# Altium PCB ROARCAT.PcbDoc
Units mm, origin at the board's own origin, x right, y up, seen from the top; angles counter-clockwise.
Board outline 100 x 65 mm, 2 copper layers (Top Layer, Bottom Layer), stack 1.576 mm thick; 84 components, 42 nets, 205 pads, 291 vias.
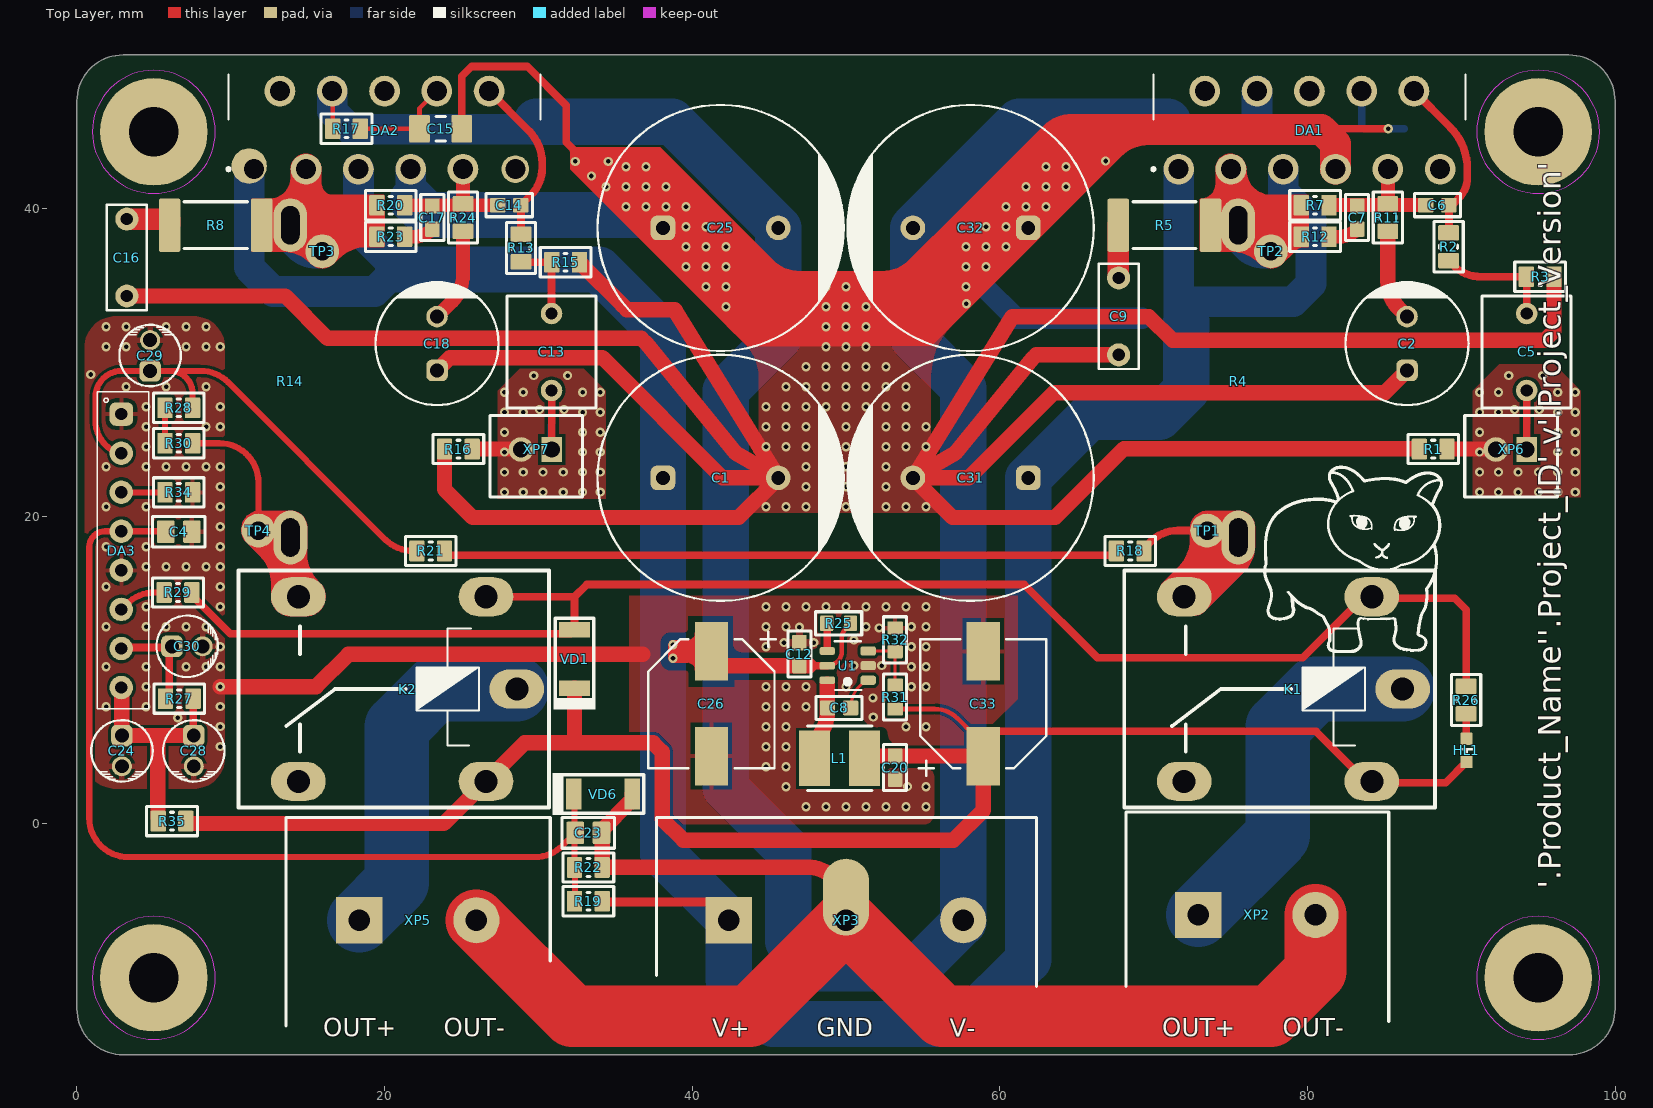
[diagram p0: Top Layer view]
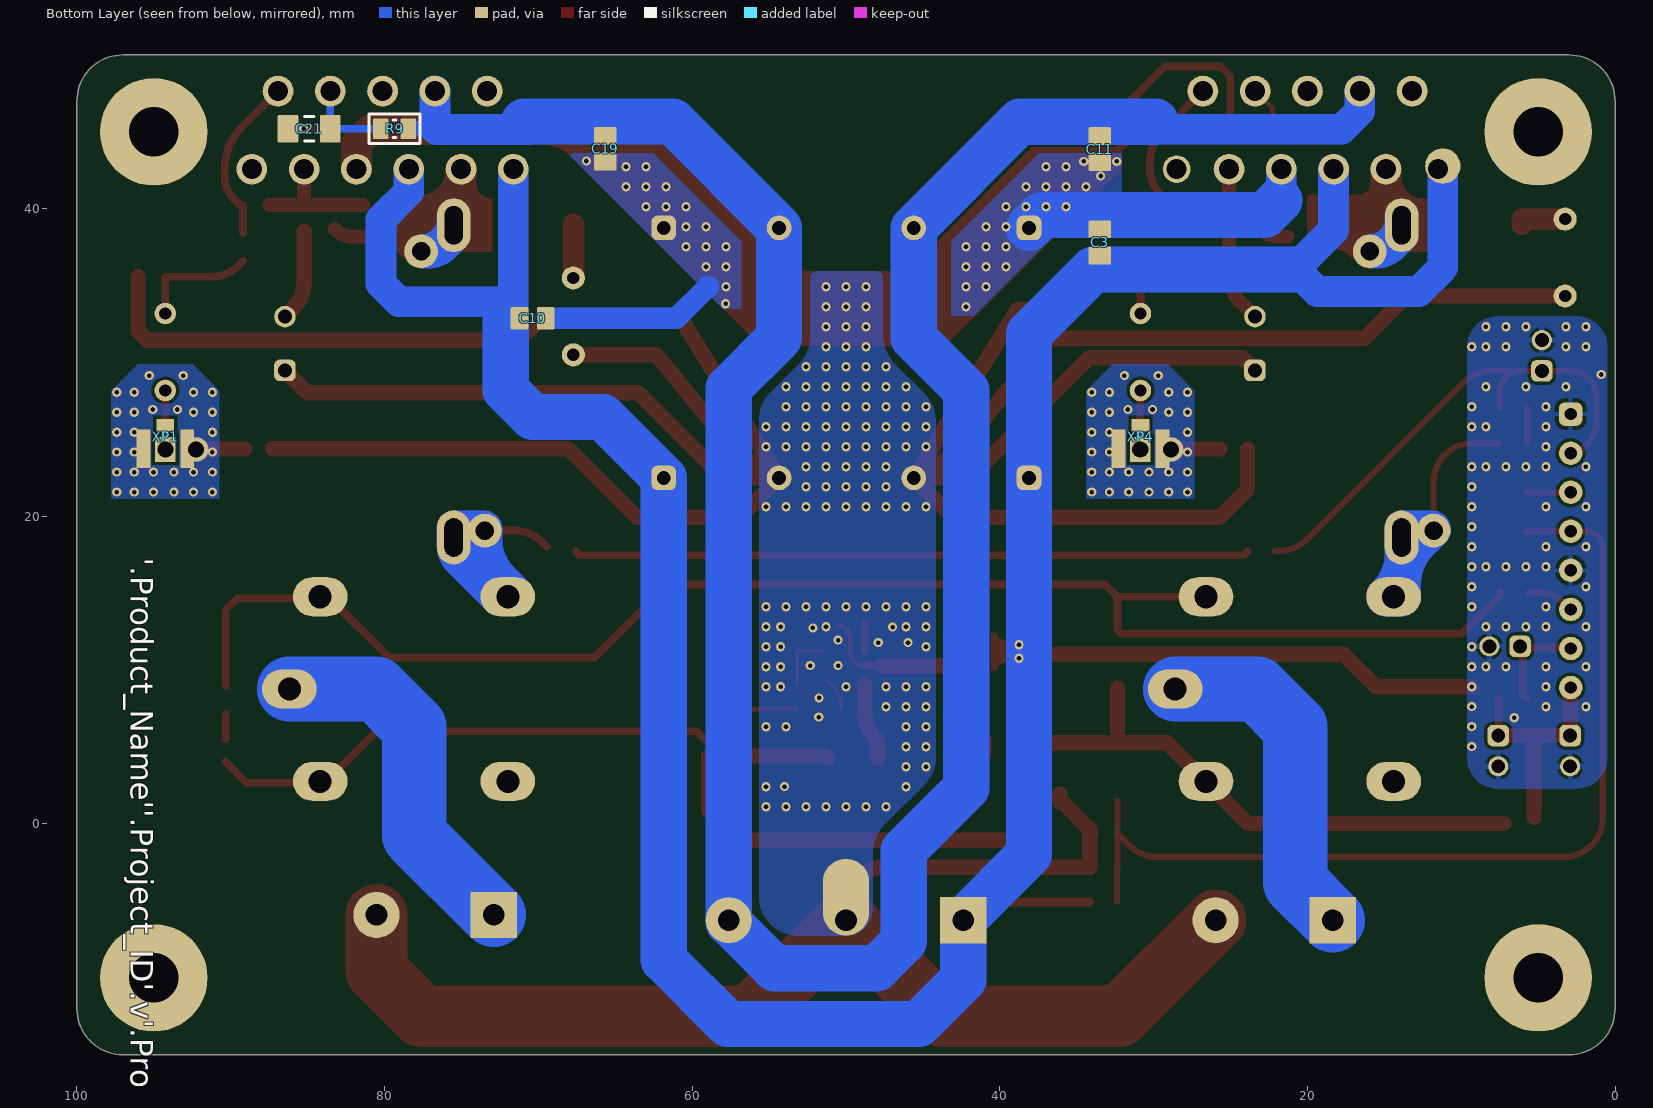
[diagram p1: Bottom Layer view, seen from below]

## Layer stack, top to bottom
Top Solder: solder mask 0.012, Solder Resist, Dk 3.5
Top Layer: signal copper 0.038
Dielectric 1: dielectric 1.5, FR-4, Dk 4.8
Bottom Layer: signal copper 0.038
Bottom Solder: solder mask 0.012, Solder Resist, Dk 3.5

## Board outline
3,-15 cw(c3,-12) 0,-12 0,47 cw(c3,47) 3,50 97,50 cw(c97,47) 100,47 100,-12 cw(c97,-12) 97,-15

## Design rules (kind name [scope] priority, off if disabled: settings)
BoardOutlineClearance [All] p1: gap=0.5 ignorepadtopadclearanceinfootprint=FALSE
Clearance MiddleVoltage [InNetClass('MiddleVoltage')] p1: gap=0.5 ignorepadtopadclearanceinfootprint=FALSE except(0: Arc-Hole Track-Hole SMDPad-Hole THPad-Hole Via-Hole Fill-Hole Poly-Hole Region-Hole Text-Hole; 0.2: Arc-Text Track-Text SMDPad-Text THPad-Text Via-Text Fill-Text Poly-Text Region-Text Text-Text)
Clearance HighVoltage [InNetClass('HighVoltage')] p2: gap=1 ignorepadtopadclearanceinfootprint=FALSE except(0: Arc-Hole Track-Hole SMDPad-Hole THPad-Hole Via-Hole Fill-Hole Poly-Hole Region-Hole Text-Hole; 0.2: Arc-Text Track-Text SMDPad-Text THPad-Text Via-Text Fill-Text Poly-Text Region-Text Text-Text)
Clearance Standart [All] p3: gap=0.2 ignorepadtopadclearanceinfootprint=FALSE except(0: Arc-Hole Track-Hole SMDPad-Hole THPad-Hole Via-Hole Fill-Hole Poly-Hole Region-Hole Text-Hole)
ComponentClearance [All] p1: gap=0.1 collisioncheckmode=3 verticalgap=0.1 showdistances=TRUE
Height [All] p1: minheight=0 maxheight=40 prefheight=12.7
HoleSize [All] p1: absolutevalues=TRUE maxlimit=12 minlimit=0.3 maxpercent=80.000 minpercent=20.000
HoleToHoleClearance [All] p1: gap=0.3 allowstackedmicrovias=TRUE
MinimumSolderMaskSliver [All] p1: minsoldermaskwidth=0.1
NetAntennae [All] p1: netantennaetolerance=2
PlaneClearance [All] p1: clearance=0.3
PlaneConnect PlaneConnectMiddleCurrent [InNetClass('MiddleCurrent')] p1: planeconnectstyle=Relief reliefexpansion=0.508 reliefentries=4 reliefconductorwidth=0.5 reliefairgap=0.3
PlaneConnect PlaneHighCurrent [InNetClass('HighCurrent')] p2: planeconnectstyle=Relief reliefexpansion=0.508 reliefentries=4 reliefconductorwidth=0.5 reliefairgap=0.35
PlaneConnect [All] p3: planeconnectstyle=Relief reliefexpansion=0.508 reliefentries=4 reliefconductorwidth=0.3 reliefairgap=0.3
PolygonConnect PolygonConnectMiddleCurrent [All vs InNetClass('MiddleCurrent')] p1: connectstyle=Relief reliefconductorwidth=0.4 reliefentries=4 polygonreliefangle="90 Angle" airgapwidth=0.3
PolygonConnect PolygonHighCurrent [InNetClass('HighCurrent')] p2: connectstyle=Relief reliefconductorwidth=0.5 reliefentries=4 polygonreliefangle="90 Angle" airgapwidth=0.3
PolygonConnect PolygonConnect_Keepout [(ObjectKind = 'Track') And (Layer = 'KeepOutLayer')] p3: connectstyle=Direct reliefconductorwidth=0.254 reliefentries=4 polygonreliefangle="90 Angle" airgapwidth=0.254
PolygonConnect PolygonConnect_Via [IsVia] p4: connectstyle=Direct reliefconductorwidth=0.254 reliefentries=4 polygonreliefangle="90 Angle" airgapwidth=0.254
PolygonConnect [All] p5: thpad.connectstyle=Relief thpad.reliefconductorwidth=0.3 thpad.reliefentries=4 thpad.polygonreliefangle="90 Angle" thpad.airgapwidth=0.25 smdpad.connectstyle=Relief smdpad.reliefconductorwidth=0.3 smdpad.reliefentries=4 smdpad.polygonreliefangle="90 Angle" smdpad.airgapwidth=0.25 via.connectstyle=Direct via.reliefconductorwidth=0.3 via.reliefentries=4 via.polygonreliefangle="90 Angle" via.airgapwidth=0.3
RoutingCorners [All] p1: cornerstyle=45-Degree minsetback=1 maxsetback=3
RoutingVias Power [InNetClass('Power')] p1: holewidth=0.8 width=1.5 viastyle="Through Hole" minholewidth=0.5 minwidth=1 maxholewidth=1.2 maxwidth=3
RoutingVias [All] p2: holewidth=0.4 width=0.6 viastyle="Through Hole" minholewidth=0.3 minwidth=0.3 maxholewidth=3 maxwidth=5
SilkToSilkClearance [All] p1: silktosilkclearance=0
SilkToSolderMaskClearance [IsPad] p1: minsilkscreentomaskgap=0.05 clearancetoexposedcopper=TRUE
SolderMaskExpansion SolderMaskExpansion_VIA [IsVia] p1: expansion=-3 istentingtop=TRUE useseparateexpansions=TRUE expansionbottom=-3 istentingbottom=TRUE
SolderMaskExpansion [All] p2: expansion=0.05 istentingtop=FALSE
Width Width_ANT [InNetClass('Anthenna')] p1: maxlimit=1.641 minlimit=0.2 preferedwidth=1.641
Width WidthMiddleCurrent [InNetClass('MiddleCurrent')] p2: maxlimit=2 minlimit=0.35 preferedwidth=0.5
Width WidthHighCurrent [InNetClass('HighCurrent')] p3: maxlimit=5 minlimit=0.5 preferedwidth=1
Width [All] p4: maxlimit=5 minlimit=0.2 preferedwidth=0.3 minimp=50.000000 maximp=50.000000 favimp=50.000000
19 further rules are at their usual default settings.

## Components (designator, comment, footprint, x,y, rotation, side; value= is the part's Value field where it differs from the comment)
C1 "2200uF" CAP16x31.5 41.85,22.5 r0 top locked
C2 "22uF(BP)" CAP-AE-PTH-80D05x115H15 86.475,31.235 r90 top
C3 "0.1uF" C0805(2012) 33.5,37.813 r90 bottom
C4 "0.1uF" C0805(2012) 6.625,19 r180 top
C5 "2.2uF" WIMA5 94.25,30.685 r90 top
C6 "220pF" C0603(1608) 88.445,40.226 r0 top
C7 "47pF" C0603(1608) 83.231,39.424 r270 top
C8 "0.1uF" C0603(1608) 49.55,7.543 r180 top
C9 "0.1uf" "CAP 5MM" 67.675,32.95 r270 top locked value=0.1uF
C10 "0.1uF" C0805(2012) 70.375,32.875 r180 bottom
C11 "0.1uF" C0805(2012) 33.5,43.875 r90 bottom
C12 "0.1uF" C0603(1608) 46.972,11.044 r270 top
C13 "2.2uF" WIMA5 30.859,30.685 r90 top
C14 "220pF" C0603(1608) 28.109,40.226 r0 top
C15 "10uF" C1206(3216) 23.65,45.2 r0 top
C16 "0.1uf" "CAP 5MM" 3.2,36.775 r270 top locked value=0.1uF
C17 "47pF" C0603(1608) 23.106,39.424 r270 top
C18 "22uF(BP)" CAP-AE-PTH-80D05x115H15 23.414,31.235 r90 top
C19 "0.1uF" C0805(2012) 65.65,43.896 r90 bottom
C20 "0.1uF" C0603(1608) 53.195,3.669 r90 top
C21 "10uF" C1206(3216) 84.9,45.2 r0 bottom
C23 "0.33uF" C0805(2012) 33.25,-0.574 r180 top
C24 "22uF" CAP-AE-PTH-40D05x70H10 2.925,4.75 r270 top
C25 "2200uF" CAP16x31.5 41.85,38.75 r0 top locked
C26 "220 uF" "CAP 8x9" 41.247,7.819 r270 top
C28 "22uF" CAP-AE-PTH-40D05x70H10 7.6,4.75 r270 top
C29 "22uF" CAP-AE-PTH-40D05x70H10 4.762,30.456 r90 top
C30 "22uF" CAP-AE-PTH-40D05x70H10 7.176,11.55 r0 top
C31 "2200uF" CAP16x31.5 58.1,22.5 r180 top locked
C32 "2200uF" CAP16x31.5 58.1,38.75 r180 top locked
C33 "220 uF" "CAP 8x9" 58.922,7.819 r90 top
DA1 "LM3886T/NOPB" TO-220-11#1 80.125,45 r180 top locked
DA2 "LM3886T/NOPB" TO-220-11#2 20,45 r180 top locked
DA3 "uPC1237" SIP-8 3,17.8 r270 top
HL1 "FYLS-0603BURC" LED-0603R 90.338,4.786 r90 top
K1 "LEG-12" Relay10A 78.186,8.775 r0 top locked
K2 "LEG-12" Relay10A 20.6,8.775 r0 top locked
L1 "NRS4018T3R3" "WE-LQS SMD 4018" 48.07,4.268 r0 top
R1 "10" R0805 88.175,24.375 r180 top
R2 "1 k" R0805 89.175,37.526 r270 top
R3 "1 k" R0805 95.125,35.575 r0 top
R4 "10" R3W 75.5,28.775 r270 top
R5 "5.6" R2512 70.7,38.925 r0 top locked
R7 "7.5 k" R0805 80.5,40.226 r180 top
R8 "5.6" R2512 9.025,38.925 r0 top locked
R9 "100 k" R0805 79.35,45.2 r180 bottom
R11 "1 k" R0805 85.225,39.424 r90 top
R12 "7.5 k" R0805 80.5,38.181 r180 top
R13 "1 k" R0805 28.874,37.45 r270 top
R14 "10" R3W 13.875,28.775 r270 top
R15 "1 k" R0805 31.775,36.524 r0 top
R16 "10" R0805 24.8,24.375 r180 top
R17 "100 k" R0805 17.525,45.2 r180 top
R18 "10 k" R0805 68.475,17.75 r0 top
R19 "100 k" R0805 33.25,-5.025 r0 top
R20 "7.5 k" R0805 20.406,40.226 r180 top
R21 "47 k" R0805 23,17.75 r0 top
R22 "10 k" R0805 33.25,-2.825 r180 top
R23 "7.5 k" R0805 20.406,38.181 r180 top
R24 "1 k" R0805 25.106,39.424 r90 top
R25 "100 k" R0603 49.522,13.05 r180 top
R26 "10 k" R0805 90.313,8.058 r270 top
R27 "47 k" R0805 6.657,8.15 r0 top
R28 "47 k" R0805 6.625,27.056 r0 top
R29 "100" R0805 6.57,15.05 r0 top
R30 "10 k" R0805 6.625,24.755 r180 top
R31 "100 k" R0603 53.195,8.25 r270 top
R32 "10 k" R0603 53.195,11.975 r270 top
R34 "0" R0805 6.625,21.56 r180 top
R35 "3.3 k" R0805 6.184,0.188 r180 top
TP1 "PAD-1.75mm" PAD-1.75mm#1 73.478,19.1 r0 top
TP2 "PAD-1.75mm" PAD-1.75mm#2 77.625,37.225 r0 top
TP3 "PAD-1.75mm" PAD-1.75mm#2 15.95,37.225 r0 top
TP4 "PAD-1.75mm" PAD-1.75mm#2 11.803,19.075 r0 top
U1 "JW5026" SOT23-6 50.112,10.296 r90 top
VD1 "1N4148" SOD-80 32.35,9.625 r90 top
VD6 "1N4148" SOD-80 33.1,1.95 r0 top
XP1 "U.FL-R-SMT-1(01)" "IPEX_ RECE.20279.001E.01" 94.25,24.4 r0 bottom
XP2 "DG25C-B-02P" DG25C-B-02P 76.712,-5.912 r0 top
XP3 "DG25H-B-03P-13-00AH" DG25H-B-03P 50,-6.253 r0 top locked
XP4 "U.FL-R-SMT-1(01)" "IPEX_ RECE.20279.001E.01" 30.859,24.4 r0 bottom locked
XP5 "DG25C-B-02P" DG25C-B-02P 22.163,-6.253 r0 top
XP6 "B02B-PASK-1" JST_B02B-PASK-1(LF)(SN) 93.25,24.347 r180 top
XP7 "B02B-PASK-1" JST_B02B-PASK-1(LF)(SN) 29.875,24.347 r180 top

## Footprints (in the part's own frame and the unit in brackets; to place one, negate y for a bottom-side part, rotate by r counter-clockwise, add the part's x,y. Pads: shape width x height; smd on the part's side, far side on the other; paste and mask are expansions set on the pad)
C0603(1608) [mm]
  rrect15% 1x0.95 smd mask+0.05: 1(-0.75,0) 2(0.75,0)
  Top Layer pour cut-out: -0.05,0.45 0.05,0.45 0.05,-0.45 -0.05,-0.45
  silkscreen extent -1.5,-0.75 1.5,0.75, body extent -0.9,-0.5 0.9,0.5, height 0.9
C0805(2012) [mm]
  rrect15% 1.15x1.45 smd mask+0.05: 1(-0.85,0) 2(0.85,0)
  Top Layer pour cut-out: -0.05,0.651 0.05,0.651 0.05,-0.649 -0.05,-0.649
  body extent -1.1,-0.72 1.1,0.73, height 0.75
C1206(3216) [mm]
  rrect15% 1.35x1.8 smd mask+0.05: 1(-1.375,0) 2(1.375,0)
  silkscreen extent -0.3,-0.8 0.3,0.8, body extent -1.6,-0.8 1.6,0.8, height 1
CAP16x31.5 [mm]
  rrect50% 1.6x1.6 hole 0.9: 1(-3.75,0)
  round 1.6 hole 0.9: 2(3.75,0)
  silkscreen extent -8,-8 8,8, body extent -8,-8 8,8, height 41
"CAP 5MM" [mm]
  round 1.5 hole 0.8: 1(-2.55,0.05) 2(2.45,0.05)
  silkscreen extent -3.47,-1.25 3.38,1.35, body extent -2.78,-1.2 2.73,1.3, height 6.54
"CAP 8x9" [mm]
  rect 3.8x2.15 smd: 1(-3.4,0) 2(3.4,0)
  silkscreen extent -4.7,-4.1 4.2,4.2, body extent -4.6,-4.25 4.6,4.25, height 9
CAP-AE-PTH-40D05x70H10 [mm]
  rrect50% 1.4x1.4 hole 0.9: 1(-1,0)
  round 1.3 hole 0.9: 2(1,0)
  silkscreen extent -2,-2 2,2, body extent -2.25,-2.25 2.25,2.25, height 8
CAP-AE-PTH-80D05x115H15 [mm]
  rrect50% 1.4x1.4 hole 0.9: 1(-1.75,0)
  round 1.4 hole 0.9: 2(1.75,0)
  silkscreen extent -4,-4 4.03,4, body extent -4.25,-4.25 4.25,4.25, height 13
DG25C-B-02P [mm]
  rect 3x3 hole 1.4: 1(-3.81,0)
  round 3 hole 1.4: 2(3.81,0)
  silkscreen extent -8.51,-6.94 8.57,6.68, body extent -8.37,-6.75 8.37,6.48, height 14.8
DG25H-B-03P [mm]
  rect 3x3 hole 1.4: 1(-7.62,0)
  oval 3x5 hole 1.4 copper offset 0,1.5: 2(0,0)
  round 3 hole 1.4: 3(7.62,0)
  silkscreen extent -12.32,-4.3 12.38,6.68, body extent -12.18,-6.75 12.18,6.48, height 14.8
"IPEX_ RECE.20279.001E.01" [mm]
  rect 1.15x0.8 smd: 1(0,-1.525)
  rect 0.9x2.5 smd: 2(-1.425,0) 3(1.425,0)
  body extent -1.5,-1.5 1.5,1.6, height 1.25
JST_B02B-PASK-1(LF)(SN) [mm]
  rect 1.35x1.6 hole 1.05: 1(-1,0)
  round 1.6 hole 1.05: 2(1,0)
  silkscreen extent -3,-2.2 3.03,3.1, body extent -3,-2.2 3,3.1, height 7.85
LED-0603R [mm]
  rrect15% 0.8x0.8 smd: 1(-0.75,0) 2(0.75,0)
  silkscreen extent -0.2,-0.4 0.15,0.4, body extent -0.85,-0.45 0.85,0.45, height 0.9
PAD-1.75mm#1 [mm]
  round 2.2 hole 1.2: 1(0,-0.025)
PAD-1.75mm#2 [mm]
  round 2.2 hole 1.2: 1(0,0)
R3W [mm]
  oval 3.5x2.2 hole 1.2 slot 2.5 at 0 deg: 1(-10.15,0) 2(10.15,0.003)
  body extent -11.1,-3.3 11.1,3.3, height 8.29
R0603 [mm]
  rrect15% 0.85x1 smd mask+0.05: 1(-0.775,0) 2(0.775,0)
  silkscreen extent -1.5,-0.75 1.5,0.75, body extent -0.85,-0.42 0.85,0.38, height 0.56
R0805 [mm]
  rrect15% 1x1.35 smd: 1(-0.9,0) 2(0.9,0)
  silkscreen extent -1.65,-0.95 1.65,0.95, body extent -1.03,-0.62 0.97,0.63, height 0.47
R2512 [mm]
  rrect15% 1.4x3.45 smd: 1(-3,0) 2(3,0)
  silkscreen extent -2.05,-1.53 2.05,1.53, body extent -3.3,-1.71 3.3,1.72, height 0.89
Relay10A [mm]
  oval 3.556x2.54 hole 1.5: 1(6,-6) 2(6,6) 3(-6.2,6) 4(8,0) 5(-6.2,-6)
  silkscreen extent -10.1,-7.7 10.1,7.7, body extent -9.85,-7.5 9.65,7.5, height 3.5
SIP-8 [mm]
  rrect50% 1.524x1.524 hole 0.8: 1(-8.85,-0.111)
  round 1.524 hole 0.8: 2(-6.31,-0.111) 3(-3.77,-0.111) 4(-1.23,-0.111) 5(1.31,-0.111) 6(3.85,-0.111) 7(6.39,-0.111) 8(8.93,-0.111)
  silkscreen extent -10.31,-1.68 10.32,1.67, body extent -10.15,-1.5 10.17,1.5, height 5.68
SOD-80 [mm]
  rect 1x2 smd: 1(-0.8,0) 2(3,0)
  silkscreen extent -2.17,-1.35 3.75,1.35, body extent -0.78,-0.79 2.92,0.79, height 1.6
SOT23-6 [mm]
  rrect50% 0.6x1 smd mask+0.05: 1(-0.95,-1.33) 2(0,-1.33) 3(0.95,-1.33)
  rrect50% 0.5x1 smd mask+0: 4(0.95,1.33) 5(0,1.33) 6(-0.95,1.33)
  silkscreen extent -1.59,-0.88 1.59,0.86, body extent -1.52,-1.5 1.52,1.5, height 1.25
TO-220-11#1 [mm]
  round 2 hole 1.3: 1(8.5,2.43) 2(6.8,-2.65) 3(5.1,2.43) 4(3.4,-2.65) 5(1.7,2.43) 6(0,-2.65) 7(-1.7,2.43) 8(-3.4,-2.65) 9(-5.1,2.43) 10(-6.8,-2.65) 11(-8.5,2.43)
  silkscreen extent -10.14,-3.72 10.24,2.53, body extent -10,-6.84 10.02,2.73, height 22.35
TO-220-11#2 [mm]
  round 2.3 hole 1.3 copper offset 0.3,-0.2: 1(8.5,2.43)
  round 2 hole 1.3: 2(6.8,-2.65) 3(5.1,2.43) 4(3.4,-2.65) 5(1.7,2.43) 6(0,-2.65) 7(-1.7,2.43) 8(-3.4,-2.65) 9(-5.1,2.43) 10(-6.8,-2.65)
  round 1.8 hole 1.3: 11(-8.5,2.43)
  silkscreen extent -10.14,-3.72 10.24,2.53, body extent -10,-6.84 10.02,2.73, height 22.35
"WE-LQS SMD 4018" [mm]
  rect 2x3.6 smd: 1(-0.125,0) 2(3.125,0)
  silkscreen extent -0.58,-2.1 3.63,2.1, body extent -0.47,-2 3.52,2, height 2.15
WIMA5 [mm]
  round 1.4 hole 0.8: 1(-2.5,0) 2(2.5,0)
  silkscreen extent -3.63,-2.89 3.64,2.89, body extent -3.49,-2.75 3.51,2.77, height 11

## Part data
C1 C25 C31 C32: library part "2200uF  35V 16x31.5", "2200uF CAP ALUM 22UF 20% 35V RADIAL", Operation Temperature="-55°C ~ 125°C", Package/Case=16x31.5, Power (V/A)=35V, Tolerance=±10%, ComponentLink1Description=Datasheet, Library Path 1=Capacitors.SchLib, Name Component="Electrolytic capacitor", Part Number="2200uF  35V 16x31.5"
C2 C18: library part "22uF(BP)  50V  8 x 11.5", "ECEA1HN220U 22UF 20% 50V RADIAL", Manufacturer="Panasonic Electronic Components", Manufacturer P/N=ECEA1HN220U, Operation Temperature="-55°C ~ 105°C", Package/Case="8 x 11.5", Power (V/A)=50V, Supplier Part Number 1=P10340-ND, Temperature Coefficient=-, Tolerance=±20%, ComponentLink1Description=Datasheet, Library Path 1=Capacitors.SchLib, Name Component="Bipolar Electrolytic Capacitor", Part Number="22uF(BP)  50V  8 x 11.5", Supplier 1=kosmodrom
C3 C4 C9 C10 C11 C16 C19: library part "0.1uF  50V C0805", "CAP CER 0.1UF 50V X7R 0805", Manufacturer="AVX Corporation", Manufacturer P/N=08055C104KAT2A, Operation Temperature="-55°C ~ 105°C", Package/Case=C0805, Power (V/A)=50V, Supplier Part Number 1=478-1395-2-ND, Temperature Coefficient=X7R, Tolerance=±10%, ComponentLink1Description=Datasheet, ComponentLink1URL=http://catalogs.avx.com/SurfaceMount.pdf, Library Path 1=Capacitors.SchLib, Name Component="Capacitor Ceramic", Notes="08055C104KAT4A,08055C104KAJ2A, 08055C104KAJ4A", Part Number="0.1uF  50V C0805", Supplier 1=Digi-key
C5 C13: library part MKS2-2.2U/50-R, "CAP FILM 2.2UF 10% 100VDC", Manufacturer=WIMA, Manufacturer P/N=MKS2B042201F00, Operation Temperature="-55°C ~ 125°C", Package/Case="5x10x7, 2мм", Power (V/A)="63В AC, 100В DC", Tolerance=±10%, ComponentLink1Description=Datasheet, ComponentLink1URL=https://www.mouser.com/datasheet/2/440/e_WIMA_MKS_2-1139871.pdf?utm_source=chatgpt.com, Library Path 1=Capacitors.SchLib, Name Component="Polypropylene (PP), Metallized", Part Number=MKS2-2.2U/50-R, Supplier 1=kosmodrom
C6 C14: library part "220pF  25V C0603", "CAP CER 220PF 25V X7R 0603", Manufacturer="AVX Corporation", Manufacturer P/N=06033C221MAT2A, Operation Temperature="-55°C ~ 105°C", Package/Case=C0603, Power (V/A)=25V, Supplier Part Number 1=06033C221MAT2A-ND, Temperature Coefficient=X7R, Tolerance=±20%, ComponentLink1Description=Datasheet, ComponentLink1URL=http://catalogs.avx.com/SurfaceMount.pdf, Library Path 1=Capacitors.SchLib, Name Component="Capacitor Ceramic", Notes=06033C221MAT4A, Part Number="220pF  25V C0603", Supplier 1=Digi-key
C7 C17: library part "47pF  50V C0603", "CAP CER 47PF 50V X7R 0603", Manufacturer="AVX Corporation", Manufacturer P/N=06035C470KAT2A, Operation Temperature="-55°C ~ 105°C", Package/Case=C0603, Power (V/A)=50V, Supplier Part Number 1=06035C470KAT2A-ND, Temperature Coefficient=X7R, Tolerance=±10%, ComponentLink1Description=Datasheet, ComponentLink1URL=http://catalogs.avx.com/SurfaceMount.pdf, Library Path 1=Capacitors.SchLib, Name Component="Capacitor Ceramic", Part Number="47pF  50V C0603", Supplier 1=Digi-key
C8 C12 C20: library part "0.1uF  50V C0603", "CAP CER 0.1UF 50V X7R 0603", Manufacturer="Samsung Electro-Mechanics", Manufacturer P/N=CL10B104KB8WPNC, Operation Temperature="-55°C ~ 125°C", Package/Case=C0603, Power (V/A)=50V, Supplier Part Number 1=1276-6854-2-ND, Temperature Coefficient=X7R, Tolerance=±10%, ComponentLink1Description=Datasheet, ComponentLink1URL=https://www.samsungsem.com/resources/file/global/support/product_catalog/MLCC.pdf, Library Path 1=Capacitors.SchLib, Name Component="Capacitor Ceramic", Notes="06035C104K4T4A, 06035C104K4T2A", Part Number="0.1uF  50V C0603", Supplier 1=Digi-key
C15 C21: library part "10uF  35V С1206", "CAP CER 10UF 35V X5R 1206", Manufacturer="AVX Corporation", Manufacturer P/N=1206DD106KAT2A, Operation Temperature="-55°C ~ 105°C", Package/Case=С1206, Power (V/A)=35V, Supplier Part Number 1=478-9953-2-ND, Temperature Coefficient=X5R, Tolerance=±10%, ComponentLink1Description=Datasheet, ComponentLink1URL=http://catalogs.avx.com/SurfaceMount.pdf, Library Path 1=Capacitors.SchLib, Name Component="Capacitor Ceramic", Part Number="10uF  35V С1206", Supplier 1=Digi-key
C23: library part "0.33uF  25V C0805", "CAP CER 0.33UF 25V X7R 0805", Manufacturer="AVX Corporation", Manufacturer P/N=08053C334MAT2A, Operation Temperature="-55°C ~ 105°C", Package/Case=C0805, Power (V/A)=25V, Supplier Part Number 1=478-5720-2-ND, Temperature Coefficient=X7R, Tolerance=±20%, ComponentLink1Description=Datasheet, ComponentLink1URL=http://catalogs.avx.com/SurfaceMount.pdf, Library Path 1=Capacitors.SchLib, Name Component="Capacitor Ceramic", Part Number="0.33uF  25V C0805", Supplier 1=Digi-key
C24 C28 C29 C30: library part "22uF  25V 4х6", "CAP ALUM 22UF 20% 25V RADIAL", Operation Temperature="-55°C ~ 125°C", Package/Case=4х6, Power (V/A)=25V, Tolerance=±10%, ComponentLink1Description=Datasheet, Library Path 1=Capacitors.SchLib, Name Component="Electrolytic capacitor", Part Number="22uF  25V 4х6"
C26 C33: library part "220 uF  16V 8 x 9", "CAP POLY 220 UF 20% 16V 8x9", Manufacturer=Leaguer, Manufacturer P/N=VPT1C221M0809, Operation Temperature="-55°C ~ 105°C", Package/Case="8 x 9", Power (V/A)=16V, Supplier Part Number 1=124733, Temperature Coefficient=-, Tolerance=±20%, ComponentLink1Description=Datasheet, ComponentLink1URL=https://www.rcscomponents.kiev.ua/datasheets/kks4700608x9-datasheet.pdf, Library Path 1=Capacitors.SchLib, Name Component="Conductive Polymer Aluminum Solid Capacitors", Part Number="220 uF  16V 8 x 9", Supplier 1=RCS
DA1 DA2: "IC AMP CLSS AB MONO 68W TO220-11", Manufacturer="Texas Instruments", Operation Temperature="-20°C ~ 85°C (TA)", Package/Case=TO-220-11, Power (V/A)="20V ~ 84V, ±10V ~ 42V", Supplier Part Number 1=LM3886T/NOPB-ND, ComponentLink1Description=Datasheet, ComponentLink1URL=https://www.ti.com/general/docs/suppproductinfo.tsp?distId=10&gotoUrl=https%3A%2F%2Fwww.ti.com%2Flit%2Fgpn%2Flm3886, Library Path 1="Integrated Circuit.SchLib", Manufacturer P/N=LM3886T/NOPB, Name Component=Amplifier, Part Number=LM3886T/NOPB, Supplier 1=Digi-key
DA3: "Protector IC for Stereo Power Amplifier & Loudspeaker, 25-60V, -20-75°C", Manufacturer=NEC, Operation Temperature="-20°C ~ 75°C", Package/Case=SIP-8, Power (V/A)=12-15V, ComponentLink1Description=Datasheet, ComponentLink1URL=https://www.rcscomponents.kiev.ua/datasheets/datasheet_upc1237.pdf, Library Path 1="Integrated Circuit.SchLib", Name Component="Audio Protect", Part Number=uPC1237
HL1: "LED RED LED0603", Manufacturer=FORYARD, Operation Temperature="-40 ~ +85", Package/Case=0603, Power (V/A)=20mA, ComponentLink1Description=Datasheet, ComponentLink1URL=http://www.foryard-led.ru/pdf/fyls-0603burc.pdf, Library Path 1=Optoelectronic.SchLib, Manufacturer P/N=FYLS-0603BURC, Name Component="LED Lighting", Notes=Red, Part Number=FYLS-0603BURC
K1 K2: "General Purpose Relay, 1 Form C (1PDT), 12VDC 400Ohm Coil, 120VAC/24VDC @ 10A, 240VAC Max", Operation Temperature="-55°C ~ 125°C (TA)", Power (V/A)=12V, Supplier Part Number 1=Relay10A, ComponentLink1Description=Datasheet, ComponentLink1URL=https://www.tme.eu/Document/311affc211749c2a4c93ad074af62b72/LEG-SERIES.pdf, Library Path 1=Others.SchLib, Name Component=Relay, Part Number=LEG-12
L1: "FIXED IND 3.3UH 2A 66 MOHM SMD", Manufacturer=TaiyoYuden, Manufacturer P/N=NRS4018T3R3MDGJ, Operation Temperature="-25°C ~ 120°C", Package/Case="4.00mm x 4.00mm", Power (V/A)=2A, Supplier Part Number 1=587-2892-2-ND, Tolerance=±20, ComponentLink1Description=Datasheet, ComponentLink1URL=https://www.yuden.co.jp/productdata/catalog/wound04_e.pdf, Library Path 1=Inductance.SchLib, Name Component="Fixed Inductors", Part Number=NRS4018T3R3, Supplier 1=Digi-key
R1 R16: library part "10  R0805", "RES SMD 10 OHM  ±1% 1/8W 0805", Operation Temperature="-55℃ to 155℃", Package/Case=0805, Power Rating=0.125W, Temperature Coefficient="±200 ppm/°C", Tolerance=±1%, Library Path 1=Resistor.SchLib, Name Component=Resistror, Part Number="10  R0805"
R2 R3 R11 R13 R15 R24: library part "1 k  R0805", "RES SMD 1 k OHM  ±1% 1/8W 0805", Operation Temperature="-55℃ to 155℃", Package/Case=0805, Power Rating=0.125W, Temperature Coefficient="±100 ppm/°C", Tolerance=±1%, Library Path 1=Resistor.SchLib, Name Component=Resistror, Part Number="1 k  R0805"
R4 R14: library part "10  RES_3W", "Resistror 10 OHM  ±5% AXIAL  5.50mm x 15.00mm", Operation Temperature="-55℃ to 155℃", Power Rating=3W, Temperature Coefficient="±200 ppm/°C", Tolerance=±5%, Library Path 1=Resistor.SchLib, Name Component=Resistror, Part Number="10  RES_3W"
R5 R8: library part "5.6  R2512", "Resistror 5.6 OHM  ±5% 2512 1W", Operation Temperature="-55℃ to 155℃", Power Rating=1W, Temperature Coefficient="±200 ppm/°C", Tolerance=±5%, Library Path 1=Resistor.SchLib, Name Component=Resistror, Part Number="5.6  R2512"
R7 R12 R20 R23: library part "7.5 k  R0805", "RES SMD 7.5 k OHM  ±1% 1/8W 0805", Operation Temperature="-55℃ to 155℃", Package/Case=0805, Power Rating=0.125W, Temperature Coefficient="±100 ppm/°C", Tolerance=±1%, Library Path 1=Resistor.SchLib, Name Component=Resistror, Part Number="7.5 k  R0805"
R9 R17 R18 R22 R26 R30: library part "10 k  R0805", "RES SMD 10 k OHM  ±1% 1/8W 0805", Operation Temperature="-55℃ to 155℃", Package/Case=0805, Power Rating=0.125W, Temperature Coefficient="±100 ppm/°C", Tolerance=±1%, Library Path 1=Resistor.SchLib, Name Component=Resistror, Part Number="10 k  R0805"